# KiCad board cynthion.kicad_pcb (continued)
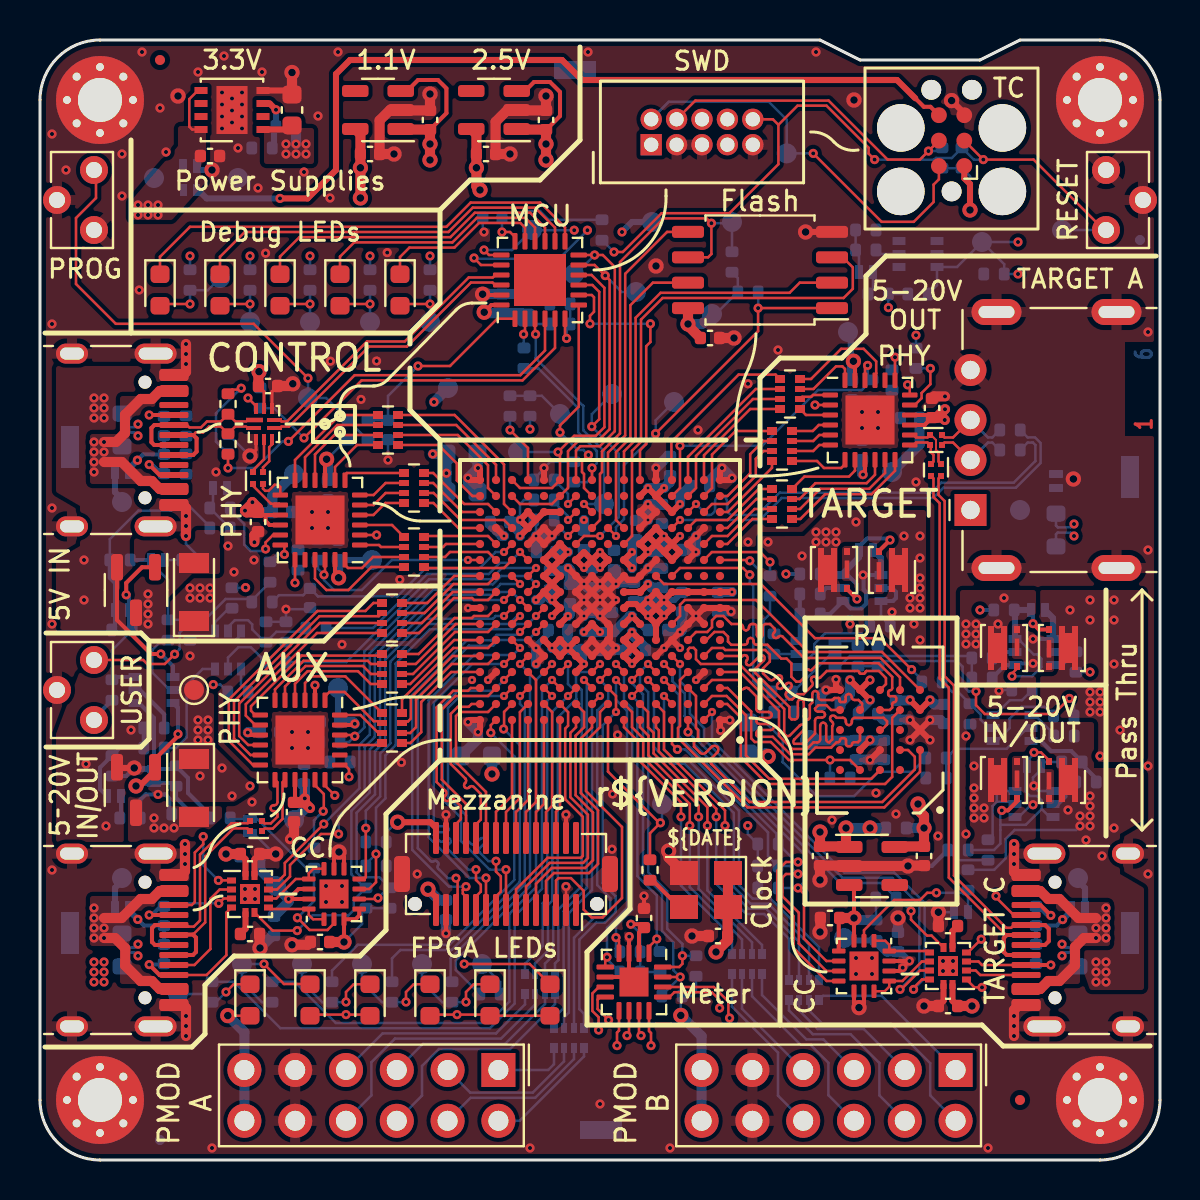
[diagram p0: board, top side]
## Routing (per net, layer and track width the routed paths; a pad name or vN(x,y) marks a point on that pad's centre or on a via; arc(x,y) is an arc through that point) (continued)
/FPGA Banks 0 and 1/LED2: length 18.5
  Top w0.127: v1(23.18,21.55) 23.2,21.57 23.2,22.4 IC1.B14
  Bottom w0.127: R29.2 17.6,10.08 18.02,10.5 20.58,10.5 23.98,13.9 23.98,20.75 v1(23.18,21.55)
/FPGA Banks 0 and 1/LED3: length 20.1
  Top w0.127: IC1.A15 22.54,21.74 v1(22.54,21.36)
  Bottom w0.127: R28.2 14.6,9.47 15.89,10.76 20.47,10.76 23.72,14.01 23.72,20.18 v1(22.54,21.36)
/FPGA Banks 0 and 1/LED4: length 31.5
  Top w0.127: IC1.D12 v2(25.6,24.8)
  Bottom w0.127: v2(25.6,24.8) 24.8,24 24.8,13.63 23.47,12.3 23.47,7.92 22.4,6.85 14.79,6.85 12.73,8.91 R27.2
/FPGA Banks 0 and 1/LED5: length 34.1
  Top w0.127: IC1.C11 v2(25.6,24)
  Bottom w0.127: v2(25.6,24) 25.1,23.5 25.1,13.56 23.73,12.19 23.73,7.82 22.5,6.59 12.02,6.59 9.7,8.91 R26.2
/FPGA Banks 0 and 1/MON.GPIO: length 18.6
  Top w0.127: U1.15 v1(32.01,9.15) ; IC1.D6 v2(29.6,24)
  Bottom w0.127: v2(29.6,24) 29.6,23.83 30.15,23.28 30.15,14.28 31.1,13.33 31.1,11.45 31.67,10.88 31.67,9.49 v1(32.01,9.15) 31.09,8.23 R86.2
/FPGA Banks 0 and 1/MON.SCL: length 16.6
  Top w0.127: U1.4 28.95,10.97 v1(28.8,11.12) ; v2(28.8,24.8) IC1.D7
  Bottom w0.127: R83.2 28.8,10.59 v1(28.8,11.12) 28.8,11.7 29.61,12.51 29.61,22.57 29.2,22.98 IC1.D7 v2(28.8,24.8)
/FPGA Banks 0 and 1/MON.SDA: length 16.6
  Top w0.127: v1(28.35,10.14) 28.26,10.05 U1.5 ; IC1.C7 v2(28.8,24)
  Bottom w0.127: v2(28.8,24) 28.8,23.01 29.35,22.46 29.35,12.61 28.35,11.61 v1(28.35,10.14) 28.35,10.04 R84.2
/FPGA Banks 0 and 1/MON.SLOW: length 14.8
  Top w0.127: IC1.C6 v2(29.6,23.2) ; v1(30.84,11.05) 30.45,10.66 U1.1
  Bottom w0.127: v2(29.6,23.2) 29.87,22.93 29.87,14.19 30.84,13.22 v1(30.84,11.05) 30.84,10.58 R85.2
/FPGA Banks 0 and 1/MON.~{PWRDN}: length 18.3
  Top w0.127: v2(30.4,24.8) IC1.D5 ; U1.16 31.96,9.65 32.12,9.81 v1(32.12,10.21)
  Bottom w0.127: v2(30.4,24.8) 30,24.4 30,23.8 30.41,23.39 30.41,14.38 31.36,13.43 31.36,11.56 32.12,10.8 v1(32.12,10.21) R87.2
/FPGA Banks 0 and 1/TARGET_C.SBU1S: length 21.6
  Top w0.127: U13.10 44.09,9.03 43.68,8.61 v1(43.68,8.53) ; IC1.A2 v2(33.6,22.4)
  Bottom w0.127: v1(43.68,8.53) 44.23,9.08 44.23,12.85 42.71,14.37 40.22,14.37 33.6,20.99 v2(33.6,22.4)
/FPGA Banks 0 and 1/TARGET_C.SBU2S: length 25.5
  Top w0.127: v1(43,8.53) 43.06,8.53 44,9.47 U13.9 ; IC1.E4 v2(32,24.8)
  Bottom w0.127: v2(32,24.8) 32,23.94 32.49,23.44 32.49,22.31 33.2,21.6 33.2,21.03 40.12,14.11 42.61,14.11 43.97,12.75 43.97,9.5 v1(43,8.53)
/FPGA Banks 0 and 1/TARGET_C.SCL: length 17.9
  Top w0.127: v1(31.87,20.53) 31.6,20.8 IC1.A4 ; v1(37.9,14.3) 37.3,14.3 37.12,14.12 37.12,13.19 37.94,12.36 37.94,10.83 39.32,9.45 U2.6
  Bottom w0.127: v1(31.87,20.53) 32.25,20.53 36.4,16.38 36.4,15.2 R98.2 37.5,14.7 v1(37.9,14.3)
/FPGA Banks 0 and 1/TARGET_C.SDA: length 20.9
  Top w0.127: v1(37.9,14.9) 37.3,14.9 36.86,14.46 36.86,13.01 37.68,12.19 37.68,10.6 39.33,8.95 U2.7 ; IC1.C4 v2(31.2,24)
  Bottom w0.127: v1(37.9,14.9) 37.81,14.9 R97.2 36.82,15.89 36.82,16.32 31.94,21.2 31.94,23.26 v2(31.2,24)
/FPGA Banks 0 and 1/TARGET_C.~{FAULT}: length 21.9
  Top w0.127: IC1.D4 v2(31.2,24.8) ; v1(43.55,12.45) 43.55,12.02 44.35,11.22 44.58,11.22 U13.6
  Bottom w0.127: v2(31.2,24.8) 31.63,24.37 31.63,23.94 32.23,23.33 32.23,22.19 32.95,21.48 32.95,20.91 40.01,13.85 42.06,13.85 R100.2 42.88,13.1 43.53,12.45 v1(43.55,12.45)
/FPGA Banks 0 and 1/TARGET_C.~{INT}: length 16.9
  Top w0.127: U2.5 39.32,9.95 38.2,11.07 38.2,13.3 v1(37.9,13.6) ; IC1.A3 v1(32.4,21.4)
  Bottom w0.127: v1(32.4,21.4) 32.69,21.11 32.69,20.81 38.33,15.17 38.33,14.03 v1(37.9,13.6) R37.2
/FPGA Banks 2 and 3/~{AUX_VBUS_IN_EN}: length 11.8
  Top w0.127: IC1.L13 v2(24,30.4)
  Bottom w0.127: v2(24,30.4) 23.46,29.86 23,29.86 22.44,29.3 19.36,29.3 16.66,26.6 R78.2
/FPGA Banks 2 and 3/~{BTN_USER}: length 13.5
  Top w0.127: IC1.M14 v2(23.2,30.4)
  Bottom w0.127: R107.1 11.95,28.24 13.16,28.24 C78.1 13.9,28.18 17.87,28.18 19.25,29.56 21.94,29.56 22.78,30.4 v2(23.2,30.4)
/FPGA Banks 2 and 3/~{CONTROL_VBUS_IN_EN}: length 15
  Top w0.127: IC1.K13 v2(24.8,29.6)
  Bottom w0.127: R71.2 15.32,24.9 19.46,29.04 22.54,29.04 23.1,29.6 v2(24.8,29.6)
/FPGA Banks 6 and 7/AUX_VBUS_EN: length 4.4
  Top w0.127: v1(36.5,29.9) 36,30.4 33.6,30.4 IC1.L2
  Bottom w0.127: v1(36.5,29.9) R63.2
/FPGA Banks 6 and 7/CONTROL_VBUS_EN: length 8.5
  Top w0.127: IC1.L1 35.45,30 v1(35.49,29.96)
  Bottom w0.127: R40.2 35.92,24.07 35.92,29.53 v1(35.49,29.96)
/FPGA Banks 6 and 7/RAM.CK: length 18.9
  Top w0.127: IC1.C3 32.8,23.2 32.8,21.6 32.9,21.5 32.9,21.1 32.7,20.9 32.7,20.67 33,20.36 arc(33.15,20.31) 33.29,20.37 33.29,20.36 33.58,20.65 arc(33.72,20.71) 33.86,20.65 arc(33.92,20.51) 33.86,20.37 33.57,20.08 arc(33.51,19.94) 33.57,19.8 35.47,17.9 42.11,17.9 43.74,19.53 43.74,20.16 43.4,20.5 U10.B2
/FPGA Banks 6 and 7/RAM.DQ0: length 15.2
  Top w0.127: IC1.F2 33.32,26 33.72,26.4 34.17,26.4 34.4,26.17 34.4,25.92 34.56,25.76 35.23,25.76 arc(35.34,25.8) 35.38,25.91 35.38,25.95 arc(35.42,26.06) 35.53,26.1 arc(35.64,26.06) 35.68,25.95 35.68,25.91 arc(35.72,25.8) 35.83,25.76 36.37,25.76 37.06,25.07 37.33,25.07 37.57,24.83 37.57,24.16 37.81,23.92 38,23.92 38.24,24.16 arc(38.27,24.23) 38.24,24.29 arc(38.21,24.36) 38.24,24.43 38.32,24.51 arc(38.39,24.53) 38.45,24.51 arc(38.52,24.48) 38.59,24.51 38.92,24.84 41.93,24.84 42.61,24.16 42.61,23.59 arc(42.58,23.52) 42.51,23.49 arc(42.44,23.46) 42.41,23.39 42.41,23.29 arc(42.44,23.22) 42.51,23.19 42.71,23.19 arc(42.78,23.16) 42.81,23.09 42.81,22.99 arc(42.78,22.92) 42.71,22.89 arc(42.64,22.86) 42.61,22.79 42.61,22.62 42.49,22.5 U10.D3
/FPGA Banks 6 and 7/RAM.DQ1: length 15.1
  Top w0.127: IC1.B1 34.36,22.8 35.04,22.12 35.04,20.12 36.36,18.8 42.25,18.8 42.61,19.16 42.61,22.11 U10.D2
/FPGA Banks 6 and 7/RAM.DQ2: length 15.1
  Top w0.127: U10.C4 41,20.99 40.9,20.89 40.7,20.89 arc(40.63,20.86) 40.6,20.79 arc(40.57,20.72) 40.5,20.69 40.4,20.69 arc(40.33,20.72) 40.3,20.79 40.3,20.99 arc(40.27,21.06) 40.2,21.09 40.1,21.09 arc(40.03,21.06) 40,20.99 arc(39.97,20.92) 39.9,20.89 39.83,20.89 39.56,20.62 38.77,20.62 38.44,20.29 37.51,20.29 36.64,21.16 35.9,21.16 35.82,21.24 35.82,21.35 arc(35.86,21.46) 35.97,21.5 36.54,21.5 arc(36.65,21.54) 36.69,21.65 arc(36.65,21.76) 36.54,21.8 35.97,21.8 arc(35.86,21.84) 35.82,21.95 arc(35.86,22.06) 35.97,22.1 36.44,22.1 arc(36.55,22.14) 36.59,22.25 arc(36.55,22.36) 36.44,22.4 35.97,22.4 arc(35.86,22.44) 35.82,22.55 35.82,23.18 35.42,23.58 arc(35.32,23.62) 35.21,23.58 35.21,23.57 arc(35.1,23.53) 35,23.57 arc(34.95,23.68) 35,23.79 35,23.79 arc(35.04,23.89) 35,24 33.6,24 IC1.C2
/FPGA Banks 6 and 7/RAM.DQ3: length 15
  Top w0.127: U10.D4 41.1,22.6 41.1,22.82 40.93,23 40.73,23 arc(40.62,23.04) 40.58,23.15 arc(40.54,23.26) 40.43,23.3 arc(40.32,23.26) 40.28,23.15 40.28,22.95 arc(40.27,22.91) 40.23,22.9 40.03,22.9 arc(40,22.91) 39.98,22.95 39.98,23.05 arc(39.97,23.09) 39.93,23.1 39.73,23.1 arc(39.7,23.09) 39.68,23.05 arc(39.67,23.01) 39.63,23 39.06,23 arc(38.96,23.04) 38.91,23.15 38.91,23.3 arc(38.87,23.41) 38.76,23.45 arc(38.66,23.41) 38.62,23.3 38.62,22.88 38.49,22.75 38.49,22.1 38.42,22.03 38.34,22.03 arc(38.23,22.07) 38.19,22.18 38.19,22.88 arc(38.15,22.99) 38.04,23.03 arc(37.93,22.99) 37.89,22.88 37.89,22.18 arc(37.85,22.07) 37.74,22.03 37.58,22.03 37.47,22.14 37.47,22.65 35.77,24.35 arc(35.72,24.46) 35.77,24.56 36.19,24.99 arc(36.23,25.09) 36.19,25.2 arc(36.08,25.24) 35.98,25.2 35.56,24.78 arc(35.45,24.73) 35.34,24.78 35.34,24.78 arc(35.3,24.88) 35.34,24.99 arc(35.39,25.09) 35.34,25.2 35.34,25.2 arc(35.24,25.24) 35.13,25.2 arc(35.03,25.16) 34.92,25.2 IC1.E1
/FPGA Banks 6 and 7/RAM.DQ4: length 15.1
  Top w0.127: IC1.E3 32.4,25.53 32.48,25.61 32.68,25.61 32.8,25.49 32.8,25.04 33.04,24.8 34.96,24.8 37.21,22.55 37.21,21.31 37.29,21.23 arc(37.39,21.19) 37.5,21.23 37.99,21.73 arc(38.1,21.77) 38.2,21.73 arc(38.25,21.62) 38.2,21.52 37.71,21.02 arc(37.67,20.92) 37.71,20.81 38.24,20.81 38.75,21.32 38.75,21.97 arc(38.79,22.08) 38.9,22.12 39.1,22.12 arc(39.21,22.16) 39.25,22.27 arc(39.21,22.38) 39.1,22.42 38.9,22.42 arc(38.79,22.46) 38.75,22.57 38.92,22.74 39.32,22.74 39.56,22.5 U10.D5
/FPGA Banks 6 and 7/RAM.DQ5: length 15.1
  Top w0.127: IC1.E2 33.6,25.6 34.16,25.6 34.26,25.5 36.26,25.5 36.49,25.27 36.49,24.92 36.15,24.58 36.15,24.34 36.47,24.03 arc(36.57,23.98) 36.68,24.03 36.85,24.19 arc(36.95,24.24) 37.06,24.19 arc(37.1,24.09) 37.06,23.98 36.89,23.81 arc(36.85,23.71) 36.89,23.6 36.9,23.59 arc(37,23.55) 37.11,23.59 37.33,23.82 arc(37.44,23.86) 37.54,23.82 arc(37.59,23.71) 37.54,23.61 37.32,23.38 arc(37.28,23.28) 37.32,23.17 37.46,23.03 37.61,23.03 37.87,23.29 38.18,23.29 38.6,23.7 arc(38.64,23.81) 38.6,23.92 arc(38.55,24.02) 38.6,24.13 arc(38.7,24.17) 38.81,24.13 arc(38.91,24.09) 39.02,24.13 39.34,24.45 40.89,24.45 arc(40.94,24.43) 40.96,24.38 arc(40.98,24.33) 41.03,24.32 41.19,24.32 arc(41.24,24.33) 41.26,24.38 arc(41.28,24.43) 41.33,24.45 41.94,24.45 42.3,24.1 42.3,23.8 U10.E3
/FPGA Banks 6 and 7/RAM.DQ6: length 15.1
  Top w0.127: IC1.F3 32.8,26.4 33.36,26.4 33.6,26.64 33.6,26.99 33.81,27.2 34.17,27.2 34.57,26.8 35,26.8 arc(35.11,26.76) 35.15,26.65 35.15,26.63 arc(35.19,26.53) 35.3,26.48 arc(35.41,26.53) 35.45,26.63 35.45,26.65 arc(35.49,26.76) 35.6,26.8 35.69,26.8 arc(35.8,26.76) 35.84,26.65 35.84,26.27 arc(35.88,26.16) 35.99,26.12 arc(36.1,26.16) 36.14,26.27 36.14,26.65 arc(36.18,26.76) 36.29,26.8 36.5,26.8 36.71,26.59 arc(36.76,26.48) 36.71,26.38 36.69,26.35 arc(36.64,26.25) 36.69,26.14 arc(36.79,26.1) 36.9,26.14 36.92,26.16 arc(37.03,26.21) 37.14,26.16 38.2,25.1 42.03,25.1 43,24.13 U10.E2
/FPGA Banks 6 and 7/RAM.DQ7: length 15.1
  Top w0.127: IC1.G4 32,27.2 32,27.76 32.24,28 35.8,28 38.4,25.4 42.1,25.4 U10.E1
/FPGA Banks 6 and 7/RAM.RWDS: length 15.1
  Top w0.127: IC1.D1 35,24.4 36.95,22.45 36.95,21.21 37.61,20.55 38.34,20.55 38.67,20.88 38.86,20.88 arc(38.97,20.92) 39.01,21.03 39.01,21.71 arc(39.05,21.82) 39.16,21.86 arc(39.27,21.82) 39.31,21.71 39.31,21.03 arc(39.35,20.92) 39.46,20.88 39.61,21.03 39.61,21.68 39.62,21.69 arc(39.66,21.79) 39.62,21.9 39.55,21.97 arc(39.5,22.07) 39.55,22.18 arc(39.65,22.22) 39.76,22.18 39.83,22.11 40.14,22.11 arc(40.25,22.07) 40.29,21.96 40.29,21.89 arc(40.34,21.79) 40.44,21.74 arc(40.55,21.79) 40.59,21.89 40.59,21.96 arc(40.64,22.07) 40.74,22.11 42.18,22.11 42.35,21.93 42.35,21.77 42.08,21.5 U10.C3
/FPGA Banks 6 and 7/RAM.~{CK}: length 18.9
  Top w0.127: IC1.D3 32,24 32,21.7 31.9,21.6 31.9,21.1 35.37,17.63 42.22,17.63 44,19.41 U10.B1
/FPGA Banks 6 and 7/RAM.~{CS}: length 12
  Top w0.127: U10.A3 41.56,19.06 36.47,19.06 35.3,20.23 35.3,22.23 34.33,23.2 33.6,23.2 IC1.B2
/FPGA Banks 6 and 7/RAM.~{RESET}: length 10.4
  Top w0.127: U10.A4 40.5,20 37.44,20 36.54,20.9 35.74,20.9 35.56,21.08 35.56,22.42 34.38,23.6 IC1.C1
  Bottom w0.127: v1(39.5,20) 39.5,19.11 R119.1
/FPGA Banks 6 and 7/TARGET_A_DISCHARGE: length 22.9
  Top w0.127: IC1.K4 32,29.6 35.15,29.6 v1(35.49,29.26)
  Bottom w0.127: R88.2 43.6,19.41 41.92,19.41 40.7,18.19 38.84,18.19 37.13,19.9 37.13,21.02 36.11,22.04 36.11,23.51 35.66,23.96 35.66,28.71 35.49,28.88 v1(35.49,29.26)
/FPGA Banks 6 and 7/TARGET_C_VBUS_EN: length 15.5
  Top w0.127: v1(43.58,24.52) 42.01,26.09 38.75,26.09 36.04,28.8 31.2,28.8 IC1.K5
  Bottom w0.127: R65.2 44.09,24.01 v1(43.58,24.52)
/FPGA Banks 6 and 7/TARGET_FS_MONITOR_D+: length 22.1
  Top w0.127: IC1.N4 v2(32,32)
  Bottom w0.127: v2(32,32) 35.98,32 37.08,33.1 44.66,33.1 45.17,33.61 48.79,33.61 50.03,34.85 50.03,35.85 49.75,36.13 49.38,36.13 R58.2
/FPGA Banks 6 and 7/TARGET_FS_MONITOR_D-: length 22.1
  Top w0.127: IC1.P3 v2(32.8,32.8)
  Bottom w0.127: v2(32.8,32.8) 33.35,32.25 33.45,32.25 arc(33.67,32.34) 33.75,32.55 33.75,32.91 arc(33.84,33.13) 34.05,33.21 arc(34.27,33.13) 34.35,32.91 34.35,32.55 arc(34.44,32.34) 34.65,32.25 35.87,32.25 36.99,33.37 44.57,33.37 45.07,33.87 48.69,33.87 49.77,34.95 49.77,35.75 49.65,35.87 49.38,35.87 R57.2
/FPGA Banks 6 and 7/TARGET_PHY.CLK: length 8.8
  Top w0.127: IC1.T4 31.57,34.03 31.57,35.91 34.93,39.27 36.78,39.27 RN11.1
/FPGA Banks 6 and 7/TARGET_PHY.DATA0: length 5.7
  Top w0.127: RN12.1 34.78,36.45 33.6,35.27 33.6,33.6 IC1.R2
/FPGA Banks 6 and 7/TARGET_PHY.DATA1: length 4.3
  Top w0.127: IC1.R1 34.38,33.2 35.51,34.33 35.51,35.29 36.17,35.95 RN12.2
/FPGA Banks 6 and 7/TARGET_PHY.DATA2: length 5.2
  Top w0.127: IC1.P2 33.6,32.8 34.38,32.8 35.79,34.21 35.79,35.06 36.18,35.45 RN12.3
/FPGA Banks 6 and 7/TARGET_PHY.DATA3: length 3.9
  Top w0.127: RN12.4 36.6,34.61 34.39,32.4 IC1.P1
/FPGA Banks 6 and 7/TARGET_PHY.DATA4: length 5
  Top w0.127: RN13.1 35.93,33.55 34.38,32 32.8,32 IC1.N3
/FPGA Banks 6 and 7/TARGET_PHY.DATA5: length 3.2
  Top w0.127: IC1.N1 34.37,31.6 35.82,33.05 RN13.2
/FPGA Banks 6 and 7/TARGET_PHY.DATA6: length 4.1
  Top w0.127: IC1.M2 33.6,31.2 34.38,31.2 35.73,32.55 RN13.3
/FPGA Banks 6 and 7/TARGET_PHY.DATA7: length 3.1
  Top w0.127: RN13.4 35.62,32.05 34.37,30.8 IC1.M1
/FPGA Banks 6 and 7/TARGET_PHY.DIR: length 7.5
  Top w0.127: RN11.3 35.65,38.05 32.8,35.2 32.8,33.6 IC1.R3
/FPGA Banks 6 and 7/TARGET_PHY.NXT: length 6
  Top w0.127: RN11.4 35.51,37.55 33.2,35.24 IC1.T2
/FPGA Banks 6 and 7/TARGET_PHY.STP: length 7.2
  Top w0.127: RN11.2 35.79,38.55 32.4,35.16 IC1.T3
/FPGA Banks 6 and 7/TARGET_PHY.~{RESET}: length 15.3
  Top w0.127: U9.22 41.25,39.6 v1(41.38,39.73) ; v1(32,35.71) 32,33.6 IC1.R4
  Bottom w0.127: v1(41.38,39.73) 41.38,39.23 R23.1 41.09,38.5 38.9,38.5 36.11,35.71 v1(32,35.71)
/Power Distribution and Monitoring/~{POWER_GOOD}: length 133.2
  Top w0.127: v1(51.47,23.08) 50.69,22.3 47.24,22.3 46.8,22.74 v1(46.8,23.43)
  In2.Cu w0.127: v1(48.9,45.9) 49.7,46.7 49.7,52.17 48.76,53.11 47.42,53.11 46.69,52.38 44.46,52.38 43.26,53.58 37.26,53.58 36.53,54.31 13.61,54.31 13.03,53.73 12.15,53.73 11.9,53.98 8.83,53.98 6.75,51.9 6.75,44.66 7.12,44.29 9.74,44.29 10.07,43.96 10.07,39.22 9.63,38.78 9.63,38.41 9.82,38.22 9.82,32.29 10.28,31.83 v1(10.28,28.62) ; v1(48.9,44.3) 52.8,40.4 52.8,30.54 52.06,29.8 52.06,23.66 51.48,23.08 v1(51.47,23.08)
  In3.Cu w0.127: v1(10.28,28.62) 8.66,27 v1(8.66,23.77)
  Bottom w0.127: R113.2 9.02,23.77 v1(8.66,23.77) ; TP8.1 v1(48.9,45.9) ; TP8.1 45.85,44.65 Q16.6 44.85,43.74 R43.2 ; TP8.1 48.21,44.79 R117.2 v1(48.9,44.3) ; v1(46.8,23.43) 46.43,23.43 46.13,23.73 46.13,24.67 45.85,24.95 42.16,24.95 R115.2 R112.2 ; v1(51.47,23.08) 51.7,22.85 R114.2 51.71,22.19 R103.2 ; R116.2 10.27,28.61 v1(10.28,28.62)
/TARGET Port/TARGET PHY/CLK: length 5.7
  Top w0.127: U9.21 41.75,39.28 41.81,39.34 41.81,39.93 41.18,40.56 40.06,40.56 38.55,39.05 RN11.8
/TARGET Port/TARGET PHY/DATA0: length 2
  Top w0.127: RN12.8 38.64,36.45 38.94,36.75 U9.4
/TARGET Port/TARGET PHY/DATA1: length 2
  Top w0.127: U9.5 38.96,36.25 38.66,35.95 RN12.7
/TARGET Port/TARGET PHY/DATA2: length 2
  Top w0.127: RN12.6 38.66,35.45 38.96,35.75 U9.6
/TARGET Port/TARGET PHY/DATA3: length 3.1
  Top w0.127: RN12.5 38.85,34.95 39.2,34.6 40.06,34.6 40.25,34.79 U9.7
/TARGET Port/TARGET PHY/DATA4: length 4.1
  Top w0.127: RN13.8 38.22,34.17 40.45,34.17 40.75,34.47 U9.8
/TARGET Port/TARGET PHY/DATA5: length 5.4
  Top w0.127: RN13.7 37.98,33.05 38.77,33.84 41.33,33.84 41.75,34.26 U9.10
/TARGET Port/TARGET PHY/DATA6: length 6.1
  Top w0.127: U9.11 42.25,34.35 41.46,33.56 39.01,33.56 38,32.55 RN13.6
/TARGET Port/TARGET PHY/DATA7: length 6.7
  Top w0.127: U9.12 42.75,34.46 41.58,33.29 39.25,33.29 38.01,32.05 RN13.5
/TARGET Port/TARGET PHY/DIR: length 1.6
  Top w0.127: U9.1 38.65,38.25 38.56,38.16 38.11,38.16 RN11.6
/TARGET Port/TARGET PHY/NXT: length 1.6
  Top w0.127: RN11.5 38.3,37.25 U9.3
/TARGET Port/TARGET PHY/PHY_D+: length 2.8
  Top w0.1: 44.8,35.49 44.8,36 44.55,36.25 FL2.1
  Top w0.127: 44.8,35.49 44.93,35.36 44.93,34.92 FL4.1 ; 43.47,36.23 43.7,36.23 43.8,36.13 44.38,36.13 FL2.1
/TARGET Port/TARGET PHY/PHY_D-: length 2.2
  Top w0.127: FL4.3 44.67,34.92 44.67,35.26 44.54,35.39 44.54,35.71 FL2.3 44.38,35.87 43.8,35.87 43.66,35.73 43.47,35.73
/TARGET Port/TARGET PHY/RBIAS: length 1.8
  Top w0.127: U9.19 v1(42.75,40.14)
  Bottom w0.127: v1(42.75,40.14) 42.75,39.66 R18.2
/TARGET Port/TARGET PHY/STP: length 3.3
  Top w0.127: U9.24 40.25,39.55 40.12,39.68 39.8,39.68 38.67,38.55 RN11.7
/TARGET Port/TARGET Type C Controller/CC1: length 5.1
  Top w0.127: 46.32,9.92 46.93,9.92 47.1,9.75 J4.A5
  Top w0.203: J4.A5 v1(50.54,9.75)
  Bottom w0.203: 49.8,9.84 49.89,9.75 v1(50.54,9.75)
/TARGET Port/TARGET Type C Controller/CC1S: length 3.6
  Top w0.127: U2.10 42.24,8.44 42.46,8.66 U2.11 43.12,8.95 44.09,9.92 U13.8
/TARGET Port/TARGET Type C Controller/CC2: length 9.7
  Top w0.127: v1(47.06,11.04) 46.4,10.38 46.32,10.38
  Top w0.203: v1(50.54,12.23) 50.02,12.75 J4.B5
  In2.Cu w0.127: v1(50.54,12.23) 49.15,13.62 47.62,13.62 47.38,13.38 47.38,11.36 v1(47.06,11.04)
  Bottom w0.203: v1(50.54,12.23) 50.37,12.23 49.92,12.68 C55.1
/TARGET Port/TARGET Type C Controller/CC2S: length 3.2
  Top w0.127: U13.7 44.4,10.45 U2.14 42.46,10.76 42.26,10.96 U2.1
/TARGET Port/TARGET Type C Controller/SBU1: length 7.7
  Top w0.127: J4.A8 48.68,12.25 47.8,13.13 v1(47.8,13.2) ; 46.32,9.03 46.72,8.63 v1(47.1,8.63)
  In2.Cu w0.127: v1(47.1,8.63) 47.8,9.33 v1(47.8,13.2)
/TARGET Port/TARGET Type C Controller/SBU2: length 3.1
  Top w0.127: J4.B8 47.01,9.25 46.78,9.47 46.32,9.47
/TARGET Port/TARGET Type C Controller/VCONN: length 6.4
  Top w0.203: U2.13 v1(43.47,9.95) v1(43.13,9.61) 42.97,9.45 U2.12
  Bottom w0.305: C45.1 43,10.42 v1(43.47,9.95) v1(43.13,9.61) ; R36.1 40.32,10.98 TP36.1
  Bottom w0.508: R36.1 42.36,10.42 C45.1
/TARGET Port/TARGET_A_D+: length 3.8
  Top w0.127: FL2.2 45.22,36.13 45.65,36.13 J3.3
  Bottom w0.127: J3.3 47.4,36.13 47.62,36.13 R58.1
/TARGET Port/TARGET_A_D-: length 3.8
  Top w0.127: J3.2 45.65,35.87 45.22,35.87 FL2.4
  Bottom w0.127: R57.1 47.62,35.87 47.4,35.87 J3.2
/TARGET Port/TARGET_C_D+: length 28.1
  Top w0.127: J4.B6 48.7,11.75 48.56,11.61 48.31,11.61 45.7,14.22 45.7,23.72 45.23,24.19 45.23,32.95 44.93,33.25 44.93,34.08 FL4.2
  Top w0.203: J4.B6 50.25,11.75 50.44,11.56 50.44,10.94 50.25,10.75 J4.A6
/TARGET Port/TARGET_C_D-: length 27.6
  Top w0.127: 48.34,11.25 48.31,11.25 45.44,14.12 45.44,23.62 44.98,24.08 44.98,32.84 44.67,33.15 44.67,34.08 FL4.4
  Top w0.203: J4.A7 48.34,11.25 48.19,11.1 48.19,10.4 48.34,10.25 J4.B7
AUX_SENSE+: length 28.7
  Top w0.127: v1(28.43,7) 27.88,7.55 27.88,8.02 28.01,8.15 U1.8
  In2.Cu w0.127: v1(28.43,7) 27.78,7 27.42,6.64 9.08,6.64 8.54,7.18 8.54,7.89 5.8,10.63 5.07,10.63 v1(4.9,10.79)
  Bottom w0.127: v1(4.9,10.79) 4.73,10.63 4.2,10.63 4.1,10.73 R42.3
AUX_SENSE-: length 29.1
  Top w0.127: v1(27.93,6.5) 27.93,7.14 27.62,7.45 27.62,8.33 27.94,8.65 U1.7
  In2.Cu w0.127: v1(27.93,6.5) 27.81,6.38 8.97,6.38 8.27,7.08 8.27,7.8 5.7,10.37 5.07,10.37 v1(4.9,10.21)
  Bottom w0.127: v1(4.9,10.21) 4.73,10.37 4.19,10.37 4.1,10.28 R42.2
AUX_VBUS: length 10.8
  Top w0.508: 3.2,12.1 4.08,12.1 5.03,13.05 5.59,13.05 5.99,13.45 J1.A4 ; J1.A9 5.99,8.55 5.59,8.95 5.03,8.95 4.26,9.72 4.26,10.59 3.75,11.1 v1(3.2,11.1)